# Altium PCB touch.gfx.PcbDoc (part 2 of 3) (continued)
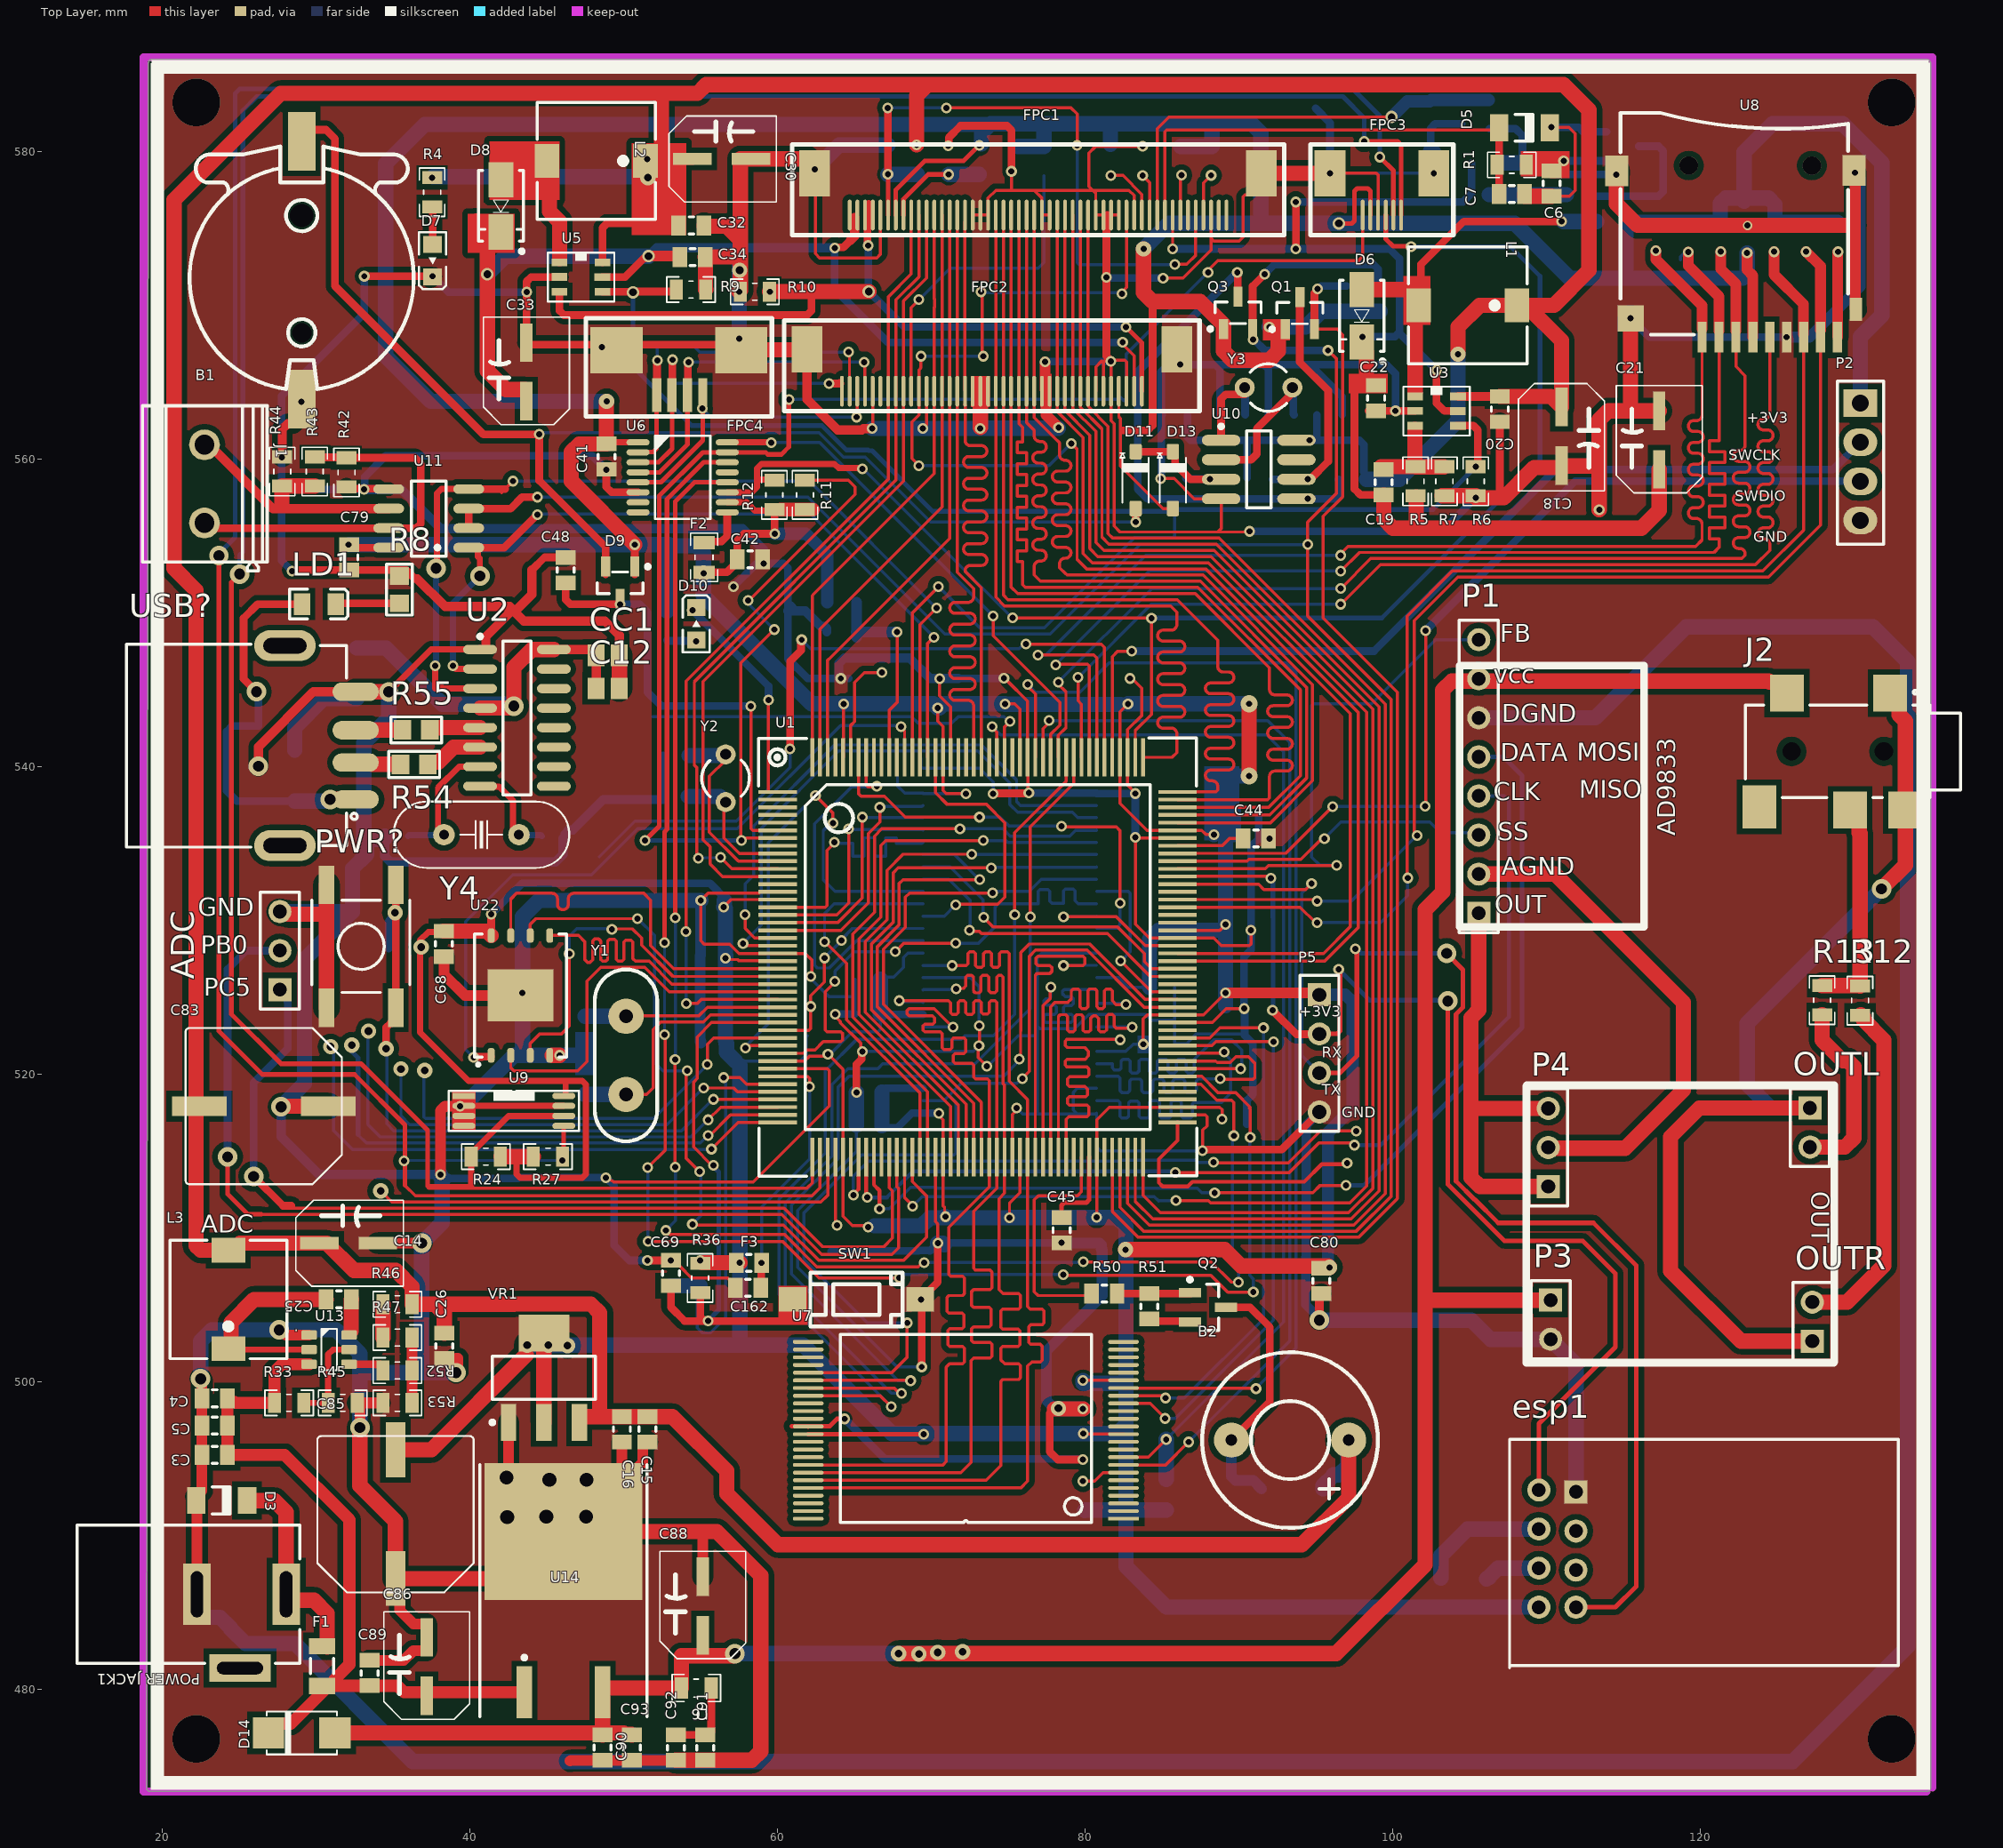
[diagram p0: Top Layer view]
## Nets (pads, with @x,y where several pads share a name; then routed paths per layer and width w, separated by ;. In a path a pad name is that pad's centre, name@x,y a point inside that pad or via, vN(x,y) a via of type N, cw(c..) or ccw(c..) an arc to the next point about the centre after c; other vN are vias at no path point) (continued)
  Bottom Layer w0.6: v2(26.264,540.004) v2@26.264,540.131 ; v2(27.737,517.855) 27.737,515.925 30.201,513.461 v1@37.795,513.461 ; v1(33.144,558.009) 35.563,558.009 38.125,555.447 57.76,555.447 59.108,554.099 v1(59.108,553.189) ; C13.1@34.48,535.307 34.48,534.15 34.849,533.781 45.568,533.781 46.063,534.276 46.063,535.316 C27.2@46.204,535.457 46.204,535.607 46.454,535.857 46.704,535.857 48.69,537.843 C65.1@52.57,537.843 ; v1(38.1,513.456) 38.608,513.202 ; 60.7,550.113 61.232,550.113 61.824,550.113 62.845,549.092 63.1,549.092 63.225,548.967 R35.1@63.225,548.742 ; v1(64.135,545.714) 64.135,545.741 64.005,545.871 64.005,546.689 64.362,547.046 68.599,547.046 69.932,545.714 71.78,545.714 ; v2(95.25,503.987) 95.25,504.124 94.377,504.997 94.377,508.059 94.391,508.073 94.391,516.661 P5.4@95.25,517.52
  Bottom Layer w0.7: C54.1@54.992,522.092 C58.1@54.991,527.68 55.011,527.7 55.011,531.264 v1(55.031,531.284) ; C54.1@55.03,522.118 55.03,521.992 C54.1@55.031,521.991 ; v3@78.059,498.216 77.495,498.78 77.495,501.955 81.128,505.587 81.128,508.559 81.072,508.614 81.072,508.886 80.96,508.998 79.197,508.998 ; v7(125.635,567.915) 127.134,567.915 130.429,571.21 130.429,578.257 v7(130.079,578.607)
  Bottom Layer w1: 22.267,486.156 22.267,485.056 22.667,484.656 23.767,484.656 24.456,483.967 24.456,483.916 25.416,482.956 28.625,482.956 36.297,475.285 126.035,475.285 133.502,482.752 133.502,546.811 131.248,549.066 119.095,549.066 113.182,543.154 P1.6@105.613,543.154 ; v2(22.504,500.167) 22.504,502.615 23.241,503.352 v2(27.61,503.352) 31.318,503.352 32.868,501.802 32.868,500.456 ; ADC.3@27.661,530.555 32.36,530.555 29.261,527.456 29.261,519.379 v2(27.737,517.855) ; 32.385,530.53 32.385,533.363 33.299,534.277 33.299,535.257 ; v2(32.868,497.002) 32.868,500.456 ; 33.299,535.457 33.299,535.257 ; C13.1@34.48,535.457 34.48,535.307 34.43,535.257 33.299,535.257 ; v2(34.74,544.848) 34.74,543.146 33.115,541.521 33.115,535.273 33.099,535.257 33.299,535.257 ; v1(38.1,513.456) 38.1,513.346 38.21,513.236 38.21,510.318 v2(36.882,508.99) 36.882,500.721 37.033,500.569 ; v2(39.116,500.569) 37.033,500.569 ; v1(39.37,517.901) 39.594,517.901 42.901,521.208 43.459,521.208 ; 47.498,521.203 47.493,521.208 v1(45.847,521.208) 43.459,521.208 ; v1(55.031,531.284) C56.1@54.904,531.284 44.498,531.284 43.434,530.22 v4(43.434,525.272) 43.434,521.233 43.459,521.208 ; v1(57.531,567.812) v1(57.531,570.86) v3@57.531,572.719 ; v1@62.484,578.861 64.024,580.401 R26.1@67.196,580.401 ; C77.1@65.151,516.661 v1(65.151,518.79) ; v1(66.167,561.97) v1(69.469,561.97) v1@73.186,561.97 ; v1(70.443,508.99) 70.76,508.99 C53.1@70.866,508.884 ; v1@73.212,561.995 v1@78.272,561.995 ; v3@78.059,498.216 v1(79.883,498.216) ; v2(95.25,503.987) 105.131,503.987 106.375,502.742 P3.2@110.287,502.742 111.938,501.091 esp1.1@111.938,492.811 ; D4.1@102.489,580.006 102.592,580.006 102.692,579.906 v1(102.692,578.571) ; 32.868,500.456 32.98,500.569 37.033,500.569
  other v1: 78.486,509.011 74.74,545.73 82.931,545.716 29.051,563.721 48.609,567.272 81.398,571.806
  other v3: 78.283,498.246 57.556,572.262
  other v6: 22.225,476.753 132.461,476.753
L+: OUTL.2 R13.2@127.94,523.839 | length 12.1
  Top Layer w1: OUTL.2@127.152,515.239 129.411,515.239 129.997,515.825 129.997,520.471 129.629,520.84 129.299,520.84 127.94,522.199 R13.2@127.94,523.839
LCD_RST: FPC1.44 R25.1 | length 2.6
  Top Layer w0.2: FPC1.44@86.211,575.85 86.221,575.859 86.221,578.383 v1(86.28,578.442)
LEFT: P1.1 P4.1 P4.3 | length 27.7
  Top Layer w1: P1.1@105.613,530.454 105.613,524.15 105.105,523.642 105.105,517.754 ; P4.1@110.134,512.674 105.691,512.674 105.105,513.259 105.105,517.754 ; P4.3@110.134,517.754 105.105,517.754
MODE: FPC1.8 R34.2@73.137,578.496 R37.1 | length 6.6
  Top Layer w0.3: FPC1.8@68.211,575.85 68.211,576.896 69.81,578.495 v1(71.153,578.495)
  Bottom Layer w1: v1(71.153,578.495) R34.2@73.137,578.496
NetB2_2: B2.2 D12.1 Q2.3 | length 16.4
  Top Layer w0.5: Q2.3@89.186,504.82 90.74,504.82 92.036,503.524 92.036,498.685 B2.2@89.535,496.184
  Bottom Layer w0.7: B2.2@89.535,496.184 89.535,493.815 89.795,493.555 90.954,493.555 D12.1@91.495,493.014
NetC1_1: C1.1 C2.2 D6.1 L1.2 U3.1 | length 24.1
  Top Layer w0.5: L1.2@101.854,570.276 101.854,571.001 101.854,572.643 104.648,575.437 v1(110.998,575.437)
  Top Layer w1: D6.1@98.008,571.001 L1.2@101.575,571.001 ; 101.473,564.357 L1.2@101.473,570.098
  Bottom Layer w1: C2.2@111.125,575.433 C2.2@111.378,575.433 ; C2.2@111.379,575.432 C2.2@111.378,575.433 ; C1.1@113.284,575.433 C2.2@111.378,575.433
NetC1_2: C1.2 D1.3 | length 8.8
  Bottom Layer w0.5: C1.2@113.284,577.083 117.309,577.083 117.602,577.376 117.602,580.031 117.309,580.324 D1.3@116.019,580.324
NetC2_1: C2.1 D2.3 | length 5
  Bottom Layer w1: D2.3@106.306,577.176 C2.1@111.324,577.176
NetC6_1: C6.1 C7.1 D1.2 D5.2 | length 13.3
  Top Layer w0.2: C6.1@109.728,577.083 C6.1@110.363,577.083 111.506,577.083 111.887,577.464 111.887,581.147 111.469,581.565 v1(110.343,581.565)
  Top Layer w1: C7.1@108.61,577.185 108.61,577.083 C6.1@110.363,577.083
  Bottom Layer w0.5: v1(110.343,581.565) 112.104,581.565 112.395,581.274 D1.2@113.919,581.274
NetC6_2: C6.2 D1.1 R1.1 | length 4.5
  Top Layer w1: R1.1@108.774,579.115 110.501,579.115 C6.2@110.525,579.091
  Bottom Layer w0.5: v1(111.134,579.373) D1.1@113.919,579.374
NetC11_2: C11.2 D2.2 R2.2@106.299,581.467 | length 5.3
  Bottom Layer w0.5: R2.2@106.299,581.467 108.011,581.467 108.459,581.019 C11.2@108.459,579.242
  Bottom Layer w1: D2.2@107.256,579.242 C11.2@108.459,579.242
NetC13_2: C13.2 U2.7 Y4.2 | length 8.4
  Top Layer w0.4: Y4.2@37.946,535.534 37.946,538.605 39.319,539.979 U2.7@40.678,539.979
  Bottom Layer w0.4: C13.2@35.98,535.457 36.056,535.534 Y4.2@37.946,535.534
NetC19_1: C19.1 R5.2 R7.1 U3.3 | length 6.5
  Top Layer w1: C19.1@99.262,559.467 99.285,559.491 R5.2@101.509,559.491 ; R5.2@101.467,559.491 U3.3@101.467,561.902 ; R5.2@101.523,559.477 R7.1@103.364,559.477
NetC25_1: C25.1 U13.6 | length 2.1
  Top Layer w1: U13.6@32.298,503.276 32.298,505.303 C25.1@32.323,505.328
NetC25_2: C25.2 L3.1 U13.2 | length 13.9
  Top Layer w0.4: L3.1@24.308,502.128 24.367,502.069 U13.2@29.561,502.069
  Top Layer w1: L3.1@24.308,502.128 24.493,502.314 24.493,503.842 25.979,505.328 C25.2@30.673,505.328
NetC27_1: C27.1 U2.8 Y4.1 | length 6.7
  Top Layer w0.4: U2.8@40.678,538.709 40.699,538.688 41.931,538.688 42.826,537.793 Y4.1@42.826,535.534
  Bottom Layer w0.4: Y4.1@42.826,535.534 44.628,535.534 C27.1@44.704,535.457
NetC48_2: C48.2 D9.3 U1.6 | length 28.9
  Top Layer w0.2: v1(58.285,543.918) 58.304,543.9 58.304,535.953 58.421,535.835 U1.6@60.033,535.835
  Top Layer w0.5: C48.2@46.251,551.939 46.251,550.833 46.544,550.54 D9.3@49.494,550.54 ; v1(49.784,550.54) D9.3@49.784,550.887
  Bottom Layer w0.5: v1(49.784,550.54) 51.054,550.54 51.562,550.032 51.562,544.825 52.469,543.918 v1(58.285,543.918)
NetC82_1: C82.1 U10.1 Y3.2 | length 6.5
  Top Layer w0.5: U10.1@88.863,561.208 88.863,563.9 89.156,564.193 90.406,564.193 Y3.2@90.48,564.267
  Bottom Layer w0.5: Y3.2@90.398,564.854 Y3.2@90.398,564.637 90.419,564.616 90.419,562.88 C82.1@90.44,562.859
NetC87_1: C87.1 U10.2 Y3.1 | length 10
  Top Layer w0.5: U10.2@88.863,559.938 90.805,559.938 91.186,560.319 91.186,561.97 93.482,564.267 Y3.1@93.58,564.267 ; Y3.1@93.498,564.637 93.634,564.637 Y3.1@93.702,564.568
  Bottom Layer w0.5: Y3.1@93.113,564.79 93.345,564.79 Y3.1@93.498,564.637 93.548,564.587 93.548,562.91 C87.1@93.599,562.859
NetC162_2: C162.2 F3.1 U1.38 | length 17.1
  Top Layer w0.2: U1.38@60.033,519.835 60.058,519.81 61.986,519.81 62.103,519.693 v1(62.103,519.171)
  Top Layer w0.5: C162.2@58.927,506.09 58.953,506.116 58.953,507.684 F3.1@59.028,507.758
  Bottom Layer w0.2: v1(58.98,507.71) 58.98,511.349 62.103,514.472 v1(62.103,519.171)
NetC163_2: C163.2 F4.1 U1.39 | length 26.7
  Top Layer w0.2: v1(56.516,519.761) 57.576,519.761 58.002,519.335 U1.39@60.033,519.335
  Bottom Layer w0.2: F4.1@54.991,506.218 54.805,506.033 54.805,503.482 55.118,503.169 55.656,503.169 56.652,504.165 56.652,519.866 v1@56.515,520.003
  Bottom Layer w1: C163.2@53.086,506.218 F4.1@54.991,506.218
NetCC2_1: CC2.1 CC3.1 DC2.1 LD1.1 USB?.1 | length 26.4
  Top Layer w0.5: v2(26.137,544.855) 25.298,545.694 25.298,549.631 26.213,550.545 LD1.1@29.101,550.545
  Top Layer w1: v2(30.93,537.848) USB?.1@32.591,537.848
  Bottom Layer w0.5: v2(26.137,544.855) 26.264,544.728 CC2.1@26.264,542.616 24.558,542.616 24.206,542.265 24.206,538.404 24.866,537.744 DC2.1@28.626,537.744
  Bottom Layer w1: DC2.1@28.626,537.744 30.753,537.744 30.857,537.848 v2(30.93,537.848)
NetD3_2: "POWER JACK1.1" D3.2 F1.1 | length 13.6
  Top Layer w1: D3.2@25.527,492.252 27.305,492.252 28.067,491.49 28.067,486.156 28.459,485.764 29.881,485.764 30.734,484.911 F1.1@30.734,482.727
NetD7_2: D7.2 R4.1 | length 2.5
  Top Layer w0.5: D7.2@37.592,573.942 R4.1@37.592,576.448
NetD8_1: D8.1 L2.2 U5.1 | length 9.7
  Top Layer w0.2: D8.1@42.037,578.148 42.037,578.037 D8.1@42.737,577.337
  Top Layer w0.5: L2.2@45.035,579.374 L2.2@45.06,579.349
  Top Layer w1: D8.1@42.037,578.148 42.078,578.19 45.146,578.19 ; 45.187,578.231 45.187,576.097 45.847,575.437 45.847,573.026
NetD10_2: D10.2 R39.1 | length 1.9
  Bottom Layer w0.5: R39.1@52.832,548.193 52.865,548.16 54.704,548.16 v1(54.737,548.127)
NetDC1_1: DC1.1 DC2.2 | length 6.3
  Bottom Layer w1: DC2.2@28.626,541.044 28.626,542.519 30.506,544.399 DC1.1@32.664,544.399
Netesp1_6: esp1.6 R3.2 | length 3.7
  Bottom Layer w1: R3.2@106.121,487.157 106.196,487.232 106.271,487.232 106.271,487.272 106.857,487.858 esp1.6@109.525,487.858
Netesp1_7: esp1.7 R2.2@103.149,487.208 | length 8.6
  Bottom Layer w1: R2.2@103.149,487.208 103.149,488.671 104.877,490.398 esp1.7@109.525,490.398
NetF2_2: F2.2 U6.9 | length 3.2
  Top Layer w0.5: F2.2@55.245,554.558 55.298,554.611 56.373,554.611 56.748,554.986 U6.9@56.748,556.469
NetFPC1_47: FPC1.47 R23.1 | length 2.8
  Top Layer w0.2: FPC1.47@87.711,575.85 87.711,577.936 v1(88.211,578.436)
NetJ1_1: J1.1 R42.2 R43.1 U11.7 | length 25.3
  Top Layer w0.5: J1.1@22.758,555.828 23.164,555.828 23.499,555.493 U11.7@34.738,555.493 36.537,555.493 36.83,555.786 36.83,559.684 36.447,560.067 R42.2@31.99,560.067 31.961,560.096 29.957,560.096 R43.1@29.927,560.126
NetJ1_2: J1.2 R43.2 R44.1 U11.6 | length 17
  Top Layer w0.6: J1.2@22.758,560.908 23.063,560.908 27.208,556.763 U11.6@34.738,556.763
  Top Layer w1: 27.79,556.988 R44.1@27.79,558.203 ; R44.1@27.813,558.226 R43.2@29.927,558.226
NetLD1_2: LD1.2 R8.1 | length 4.3
  Top Layer w0.5: LD1.2@31.148,550.697 31.25,550.596 R8.1@35.433,550.596
NetQ1_3: Q1.3 R41.2 U10.6 | length 16.3
  Top Layer w0.5: U10.6@93.763,558.668 94.663,558.668 95.824,559.829 95.824,564.444 93.981,566.287 Q1.3@93.981,570.524
  Bottom Layer w0.5: R41.2@92.202,558.668 v1(94.488,558.668)
NetQ2_1: Q2.1 R50.1 R51.1 | length 4.8
  Top Layer w0.5: R50.1@82.096,505.708 R51.1@84.201,505.708 86.867,505.708 86.868,505.709 86.836,505.741 Q2.1@86.836,505.77
NetQ2_2: Q2.2 R51.2 | length 2.7
  Top Layer w0.5: R51.2@84.201,504.058 84.339,503.92 86.786,503.92 Q2.2@86.836,503.87
NetQ3_3: Q3.3 R49.2 U10.5 | length 33.6
  Top Layer w0.5: v1(89.916,572.13) 89.939,572.107 89.939,570.571 Q3.3@89.962,570.548 ; U10.5@93.763,557.398 v1(94.488,557.398)
  Bottom Layer w0.5: v1(89.916,572.13) 83.439,565.653 83.439,558.033 84.074,557.398 v1(94.488,557.398) 96.242,557.398 96.535,557.691 96.535,558.623 R49.2@96.489,558.668
NetR18_1: R18.1 U7.7 | length 2.9
  Top Layer w0.2: v1(79.883,493.517) 80.645,493.517 81.197,494.069 U7.7@82.513,494.069
NetR21_1: R21.1 U8.9 | length 5.6
  Top Layer w0.3: U8.9@128.935,567.915 U8.9@128.955,567.935 ; v1@128.955,573.446 v1(128.974,573.465)
  Top Layer w0.7: U8.9@128.955,567.935 v1@128.955,573.446
NetR33_1: R33.1 R45.1 U13.5 | length 6.2
  Top Layer w0.4: R33.1@29.21,498.602 R45.1@30.8,498.602 30.8,501.767 31.102,502.069 U13.5@32.161,502.069
NetR46_2: R46.2 R47.1 | length 2.2
  Top Layer w1: R47.1@34.356,502.854 R46.2@34.356,505.013
NetR47_2: R47.2 R52.2 R53.1 | length 4.3
  Top Layer w0.7: R53.1@36.256,498.602 R47.2@36.256,502.854
NetR52_1: R52.1 U13.4 | length 2.5
  Top Layer w0.5: U13.4@32.161,501.119 33.888,501.119 33.9,501.107 34.181,501.107 34.356,500.932 R52.1@34.356,500.707
NetR54_1: R54.1 U2.6 | length 3.9
  Top Layer w1: R54.1@37.287,540.131 37.287,540.195 37.359,540.266 37.981,540.266 38.964,541.249 U2.6@40.678,541.249
NetR54_2: R54.2 USB?.2 | length 2.8
  Top Layer w1: USB?.2@32.791,540.248 33.545,540.248 33.662,540.131 R54.2@35.509,540.131
NetR55_1: R55.1 U2.5 | length 3.4
  Top Layer w1: R55.1@37.414,542.366 37.414,542.43 37.486,542.501 38.049,542.501 38.066,542.519 U2.5@40.678,542.519
NetR55_2: R55.2 USB?.3 | length 3.1
  Top Layer w1: USB?.3@32.591,542.348 32.609,542.366 R55.2@35.636,542.366
NRST: C69.1 R36.1 SW1.2 U1.31 | length 37.7
  Top Layer w0.2: v1(55.855,514.045) 55.763,514.045 54.563,515.246 54.563,519.458 54.799,519.694 54.799,520.333 54.788,520.344 54.788,522.397 55.726,523.335 U1.31@60.033,523.335
  Top Layer w0.5: C69.1@53.086,506.219 53.086,504.82 53.975,503.931 60.321,503.931 60.601,504.212 SW1.2@60.601,505.328 ; R36.1@54.991,505.775 54.991,504.224 v1@55.284,503.931
  Bottom Layer w0.3: v1(55.499,503.931) 55.499,503.947 56.202,504.65 56.202,513.62 55.826,513.995 55.855,514.024 v1(55.855,514.045)
PA0: U1.40 | length 29
  Top Layer w0.2: v1(55.213,519.089) 55.221,519.082 57.169,519.082 57.415,518.835 U1.40@60.033,518.835
  Bottom Layer w0.2: v3@35.535,520.446 35.535,517.26 36.094,516.701 52.825,516.701 v1(55.213,519.089)
  other v3: 35.535,520.319
PA1: PWR?.1 R34.1@34.737,528.137 U1.41 | length 44.6
  Top Layer w0.2: v1(55.848,518.344) 55.852,518.34 60.029,518.34 U1.41@60.033,518.335
  Top Layer w0.5: v3(34.569,521.64) 34.569,523.009 34.862,523.302 34.944,523.302 35.194,523.552 PWR?.1@35.194,524.302 PWR?.1@35.194,532.287
  Bottom Layer w0.2: v3@34.62,521.423 34.62,516.743 35.062,516.301 53.772,516.301 55.814,518.344 v1(55.848,518.344)
  Bottom Layer w0.5: R34.1@34.737,528.137 34.737,529.936 35.154,530.353 v3(35.154,530.479)
PA2: U1.42 | length 33.7
  Top Layer w0.2: v1(55.499,517.012) 56.322,517.835 U1.42@60.033,517.835
  Bottom Layer w0.2: v3@33.376,522.656 33.376,516.711 34.186,515.901 54.388,515.901 v1(55.499,517.012)
  other v3: 33.426,522.783
PA3: U1.47 | length 32
  Top Layer w0.2: v3(34.214,512.394) 34.938,511.67 36.119,511.67 62.842,511.67 63.283,512.111 U1.47@63.283,514.585
PA4: U1.50
PA5: U1.51 | length 38.2
  Top Layer w0.2: 65.283,513.334 U1.51@65.283,514.585 ; v1(88.367,514.245) 88.367,514.209 88.392,514.184 88.411,514.204 93.236,514.204 95.312,516.28 v1(97.638,516.28)
  Top Layer w0.25: v1(64.948,512.115) 64.948,512.151 65.283,512.486 65.283,513.334
  Bottom Layer w0.2: v1(64.948,512.115) 65.117,512.115 64.948,512.284 64.948,513.334 65.94,514.326 82.198,514.326 82.262,514.39 87.231,514.39 87.377,514.245 v1(88.367,514.245)
PA6: P1.4 U1.52 | length 65.5
  Top Layer w0.2: v1(85.877,513.588) 93.291,513.588 95.221,515.518 v1@97.327,515.518
  Top Layer w0.25: U1.52@65.783,514.585 65.783,512.042 v1(65.862,511.962)
  Bottom Layer w0.25: v1(65.862,511.962) 67.132,511.962 68.834,513.664 v1@85.877,513.664 ; v1@97.302,515.391 97.327,515.366 v1(97.536,515.366) 99.238,515.366 107.569,523.697 107.569,537.771 107.266,538.074 P1.4@105.613,538.074
PA7: P1.5 U1.53 | length 71.2
  Top Layer w0.2: v1(88.443,512.267) 94.823,512.267 95.305,512.75 v1(96.977,512.75)
  Top Layer w0.25: U1.53@66.283,514.585 66.283,512.787 66.65,512.42 v1(66.65,511.226)
  Bottom Layer w0.2: v1(66.65,511.226) 67.275,511.226 68.664,512.615 70.353,512.615 70.403,512.565 87.312,512.565 87.609,512.267 88.392,512.267 88.443,512.216 88.753,512.216 88.443,512.527 v1(88.443,512.267)
  Bottom Layer w0.3: v1(96.977,512.75) 98.171,512.75 108.433,523.011 108.433,539.394 107.213,540.614 P1.5@105.613,540.614
PA8: U1.119
PA11: P1.8 U1.122 | length 34.9
  Top Layer w0.2: U1.122@86.033,533.335 91.726,533.335 91.933,533.542 96.271,533.542 v1@96.418,533.395
  Bottom Layer w0.2: v1(96.37,533.572) 95.277,533.572 94.742,534.107 94.742,543.951 94.859,544.068 98.654,544.068 102.818,548.233 P1.8@105.613,548.234
PA12: P1.3 U1.123 | length 21
  Top Layer w0.2: U1.123@86.033,533.835 90.554,533.835 90.661,533.942 94.057,533.942 95.42,535.305 v1(95.58,535.305)
  Bottom Layer w0.2: v1(95.58,535.305) 96.647,536.372 102.438,536.372 103.124,535.686 105.461,535.686 P1.3@105.613,535.534
PA13: P2.3 U1.124 | length 61.8
  Top Layer w0.2: U1.124@86.033,534.335 86.039,534.342 93.068,534.342 v1(96.114,537.388) ; v1(102.132,537.395) 102.132,537.265 102.166,537.232 v1(102.166,548.831)
  Bottom Layer w0.2: v1(96.114,537.388) 101.82,537.388 101.973,537.235 v1(102.132,537.395) ; v1@102.139,537.205 v1@102.329,537.395
  Bottom Layer w0.5: v1(102.166,548.831) 111.875,558.541 P2.3@130.429,558.541
PA14: P2.2 U1.137 | length 61
  Top Layer w0.2: U1.137@81.783,540.585 81.783,547.124 82.151,547.492 v1(83.058,547.492)
  Bottom Layer w0.5: v1(83.058,547.492) 98.806,547.492 110.617,559.303 128.651,559.303 P2.2@130.429,561.081
PA15: U1.138 | length 50.7
  Top Layer w0.2: v1(76.174,547.951) 81.075,547.951 81.283,547.743 U1.138@81.283,540.585
  Top Layer w0.5: v1(60.833,541.142) 60.833,546.825 61.551,547.543 61.551,548.194 v1(61.589,548.233)
  Bottom Layer w0.2: 48.438,534.137 50.744,536.443 57.346,536.443 60.833,539.93 v1(60.833,541.142) ; v1(61.589,548.233) 62.176,547.646 75.733,547.646 76.038,547.951 v1(76.174,547.951)
PB0: ADC.2 U1.56 | length 69.9
  Top Layer w0.2: 26.467,510.87 60.284,510.87 62.885,508.268 67.451,508.268 67.883,508.7 67.883,512.56 67.783,512.66 U1.56@67.783,514.585
  Top Layer w0.3: v2(24.257,514.604) 24.257,512.191 25.578,510.87 26.467,510.87
  Bottom Layer w0.5: v2(24.257,514.604) 24.257,526.796 25.476,528.015 ADC.2@27.661,528.015
PB1: FPC1.29 FPC2.11 U1.57 | length 109.4
  Top Layer w0.2: U1.57@68.283,514.585 68.283,511.962 v1@68.841,511.404 ; FPC1.29@78.711,575.85 FPC1.29@78.711,575.85 FPC2.11@78.712,564.406 ; FPC2.11@78.714,564.405 78.714,563.139 80.315,561.538 80.315,554.172 80.848,553.639 88.214,553.639 98.33,543.523 98.33,512.715 97.233,511.617 88.174,511.617 88.032,511.759 v1(85.928,511.759)
  Top Layer w0.3: v1(68.809,511.404) v1@68.841,511.404
  Bottom Layer w0.2: v1(68.809,511.404) 69.42,512.015 84.518,512.015 84.795,511.738 84.816,511.759 v1(85.928,511.759)
PB2: U1.58 U22.6 | length 53.1
  Top Layer w0.2: U22.6@43.942,528.998 43.942,529.717 44.318,530.093 v1(50.922,530.093) ; v1(54.149,520.204) 54.082,520.137 54.082,514.512 v1(54.958,513.637) ; v1(54.483,510.22) 54.532,510.171 60.417,510.171 62.72,507.868 68.199,507.868 69.723,509.392 69.723,512.059 68.783,512.999 U1.58@68.783,514.585
  Bottom Layer w0.2: v1@50.927,530.093 52.015,529.005 52.015,520.756 52.576,520.195 54.14,520.195 v1(54.149,520.204) ; v1(54.483,510.22) 55.024,510.76 55.024,513.571 v1(54.958,513.637)
PB3: U1.161 U2.2 U11.1 | length 52.8
  Top Layer w0.2: U1.161@69.783,540.585 69.783,547.992 v1(70.189,548.398)
  Top Layer w0.4: v1@38.913,546.506 39.091,546.329 U2.2@40.678,546.329 ; U11.1@39.938,554.223 40.423,554.223 40.527,554.119 40.527,553.634 40.665,553.496 v2(40.665,552.374)
  Top Layer w0.5: U11.1@40.423,554.223 42.255,554.223 v1(44.399,556.367)
  Bottom Layer w0.2: v1(44.399,556.367) 44.453,556.421 62.165,556.421 v1(70.189,548.398)
  Bottom Layer w0.4: v1(38.912,546.537) 38.912,550.621 v2(40.665,552.374)
PB4: U1.162 U2.3 U11.4 | length 63.7
  Top Layer w0.2: 42.076,557.809 42.299,558.033 v1(42.816,558.55) ; U1.162@69.283,540.585 69.283,549.211 v1(70.358,550.286)
  Top Layer w0.4: v1(37.77,546.532) 37.77,545.059 ; v2(37.821,552.882) 37.871,552.933 37.871,557.744 38.16,558.033 U11.4@39.938,558.033 ; U2.3@40.678,545.059 37.77,545.059 ; 37.77,545.059 37.973,545.363 38.227,545.109 37.77,545.059
  Top Layer w0.5: U11.4@39.938,558.033 42.299,558.033
  Bottom Layer w0.2: v1(42.816,558.55) 62.094,558.55 v1(70.358,550.286)
  Bottom Layer w0.4: v1(37.77,546.532) 37.77,546.486 37.821,546.436 v2(37.821,552.882)
PB5: R6.1 R9.1 U1.163 U3.4 U5.4 | length 106
  Top Layer w0.2: U1.163@68.783,540.585 68.783,549.981 v1(70.485,551.683)
  Top Layer w0.5: U5.4@48.641,570.86 48.645,570.856 50.585,570.856 v5(50.618,570.824) 50.675,570.881 R9.1@53.512,570.881 ; U3.4@104.178,562.152 104.679,562.152 104.693,562.165 105.264,562.165 105.556,561.873 105.556,559.626 v1(105.422,559.491)
  Bottom Layer w0.2: v1(70.485,551.683) 73.167,549.001 77.369,549.001 83.25,554.882 85.735,554.882 85.852,555 85.852,556.462 85.979,556.589
  Bottom Layer w0.3: v5(50.618,570.824) 50.618,565.982 54.441,562.16 62.91,562.16 64.499,560.571 65.917,560.571 65.96,560.527 66.17,560.527 70.108,556.589 85.979,556.589 86.088,556.698 102.629,556.698 v1(105.422,559.491)
PB6: U1.164 U22.1 | length 45.9
  Top Layer w0.2: v1(68.045,542.586) 68.045,542.516 68.283,542.279 U1.164@68.283,540.585
  Top Layer w0.5: v1(40.259,521.081) 40.283,521.105 40.791,521.105 40.797,521.111 U22.1@41.372,521.111
  Bottom Layer w0.2: v1(40.259,521.081) 39.751,521.589 39.751,529.895 42.799,532.943 47.93,532.943 50.922,535.935 57.404,535.935 64.12,542.651 67.98,542.651 v1(68.045,542.586)
PB7: U1.165
PB8: U1.167
PB9: U1.168
PB10: U1.79
PB11: R50.2 U1.80 | length 15.4
  Top Layer w0.2: U1.80@79.783,514.585 79.783,512.34 79.524,512.081 76.984,512.081 76.708,511.805 76.708,505.836 76.962,505.582 80.32,505.582 R50.2@80.446,505.708
PB12: U1.92
PB13: U1.93
PB14: U1.94 U6.12 | length 106.5
  Top Layer w0.2: v1(52.761,509.817) 53.008,509.57 56.828,509.57 60.452,509.57 62.571,507.452 69.164,507.452 69.484,507.772 v1(69.545,507.711) ; v1(53.356,520.933) 53.362,520.927 53.362,513.952 v1(53.367,513.947) ; v1(79.897,507.788) 79.918,507.767 88.218,507.767 89.535,506.451 v1(89.992,506.451) ; U1.94@86.033,519.335 87.535,519.335 88.588,518.282 89.545,518.282 89.687,518.14 v1(89.687,515.976)
  Top Layer w0.3: v1@53.375,530.152 53.375,557.223 54.622,558.47 U6.12@56.748,558.47
  Bottom Layer w0.2: v1(52.761,509.817) 53.387,510.442 53.387,513.927 v1(53.367,513.947) ; v1(53.356,520.933) 53.38,520.957 v1@53.38,530.136 ; v1(69.545,507.711) 69.583,507.75 79.858,507.75 v1(79.897,507.788) ; v1(89.687,515.976) 89.611,515.899 89.611,507.797 89.992,507.416 v1(89.992,506.451)
  other v1: 53.369,530.147
PB15: U1.95 U6.14 | length 112.7
  Top Layer w0.2: v1(51.585,513.914) 52.706,515.035 52.706,522.529 v1(52.674,522.561) ; v1(51.597,509.107) 60.349,509.107 62.726,506.73 v1(67.945,506.73) ; v1(78.605,506.945) 78.649,506.901 88.195,506.901 89.296,505.801 90.942,505.801 v1(90.957,505.816) ; U1.95@86.033,519.835 87.601,519.835 88.646,518.79 89.789,518.79 90.755,517.825 90.703,517.773 90.754,517.723 v1(90.754,515.874)
  Top Layer w0.3: v1(52.669,528.536) 52.669,535.739 52.828,535.897 52.828,557.383 55.215,559.77 U6.14@56.748,559.77
  Bottom Layer w0.2: v1(51.585,513.914) 51.591,513.908 51.591,509.113 v1(51.597,509.107) ; v1(52.674,522.561) v1@52.674,528.531 ; v1@67.73,506.945 v1@67.945,506.945 ; v1(67.945,506.73) v1@67.945,506.945 ; v1(78.605,506.945) v1@67.945,506.945 ; v1(90.754,515.874) 90.716,515.836 90.716,506.895 90.957,506.654 v1(90.957,505.816)
PC0: R32.2 RAM1.16 U1.32 | length 14.4
  Top Layer w0.2: U1.32@60.033,522.835 62.057,522.835 62.174,522.953 62.174,525.084 63.073,525.983 v1(63.073,527.534)
  Bottom Layer w0.2: v1(63.073,527.534) 63.073,527.55 64.175,528.652 v1(64.175,528.668) 64.175,528.736 64.897,529.458 RAM1.16@69.469,529.458
  other v1: 62.192,524.383
PC1: U1.33 | length 29.1
  Top Layer w0.2: v1(55.438,520.613) 55.457,520.632 55.457,521.923 55.869,522.335 U1.33@60.033,522.335
  Bottom Layer w0.2: v3@37.033,520.319 37.033,517.197 37.129,517.101 51.965,517.101 55.438,520.573 v1(55.438,520.613)
  other v3: 37.084,520.217
PC2: RAM1.19 U1.34 | length 33.5
  Top Layer w0.2: v1(57.935,521.685) 58.071,521.685 58.207,521.822 58.232,521.822 58.247,521.837 60.031,521.837 U1.34@60.033,521.835 ; v1(62.486,538.1) 63.627,536.958 v1(63.627,536.316)
  Bottom Layer w0.2: v1(57.935,521.685) 57.935,521.782 59.436,523.282 59.436,535.05 v1(62.486,538.1) ; v1(63.627,536.316) 63.492,536.316 62.992,535.816 62.992,532.633 63.76,531.865 69.469,531.865 RAM1.19@69.469,531.858
PC3: RAM1.37 U1.35 | length 33.2
  Top Layer w0.2: U1.35@60.033,521.335 61.709,521.335 61.929,521.556 62.456,521.556 62.992,522.092 64.145,522.092 64.262,522.209 64.262,522.61 64.145,522.727 63.236,522.727 63.119,522.844 63.119,525.336 63.754,525.971 v1(63.754,526.029) ; v1(67.676,527.949) 67.681,527.949 68.234,528.502 v1(71.599,528.502)
  Bottom Layer w0.2: v1(63.754,526.029) 63.754,526.684 65.004,527.934 67.661,527.934 v1(67.676,527.949) ; v1(71.599,528.502) 73.09,528.502 74.16,529.572 74.16,530.847 74.371,531.058 76.962,531.058 76.962,531.871 77.089,531.998 77.597,531.998 77.724,531.871 77.724,531.236 77.876,531.084 78.613,531.084 78.613,531.897 78.74,532.024 79.248,532.024 79.375,531.897 79.375,531.262 79.578,531.058 RAM1.37@80.769,531.058
PC4: U1.54
PC5: ADC.1 U1.55 | length 62.2
  Top Layer w0.2: 28.397,511.27 60.45,511.27 62.957,508.762 66.929,508.762 67.483,509.316 67.483,512.394 67.283,512.594 U1.55@67.283,514.585
  Top Layer w0.5: v2(25.959,513.334) 27.873,511.42 28.397,511.42
  Bottom Layer w0.5: v2(25.959,513.334) 25.959,519.43 28.169,521.64 28.169,524.682 28.161,524.69 28.161,524.975 ADC.1@27.661,525.475
PC6: U1.115
PC7: U1.116
PC8: R14.2 U1.117 U8.7 | length 81.3
  Top Layer w0.2: U1.117@86.033,530.835 94,530.835 94.996,529.839 v1(95.108,529.839) ; v1(100.99,532.74) 100.946,532.784 100.946,549.764 103.892,552.71 124.09,552.71 126.735,555.355 U8.7@126.735,567.915
  Top Layer w0.3: U8.7@126.735,567.915 U8.7@126.735,568.108
  Top Layer w0.7: v1(124.818,573.466) 124.818,571.974 126.735,570.057 U8.7@126.735,568.108
  Bottom Layer w0.2: v1(95.108,529.839) 99.258,529.839 100.99,531.571 v1(100.99,532.74)
PC9: R13.2@126.904,573.466 U1.118 U8.8 | length 78.7
  Top Layer w0.2: U1.118@86.033,531.335 94.873,531.335 94.973,531.236 v1(95.108,531.236) ; v1(101.6,535.508) 101.418,535.508 101.418,549.474 104.254,552.31 124.452,552.31 127.835,555.693 U8.8@127.835,567.915 U8.8@127.835,568.374
  Top Layer w0.7: v1(126.904,573.466) 127.835,572.535 U8.8@127.835,568.374
  Bottom Layer w0.2: v1(95.108,531.236) 97.328,531.236 v1(101.6,535.508)
PC10: R17.2 U1.139 U8.1 | length 83.4
  Top Layer w0.2: v1(76.962,547.238) 80.582,547.238 80.78,547.04 80.78,543.067 80.783,543.064 U1.139@80.783,540.585 ; v1(96.647,553.72) 96.647,553.839 97.118,554.31 119.724,554.31 120.135,554.721 120.135,555.659 120.135,555.759 ccw(c119.781,555.759) 119.781,556.113 119.599,556.113 cw(c119.599,556.467) 119.599,556.821 119.861,556.821 ccw(c119.861,557.175) 119.861,557.529 119.599,557.529 cw(c119.599,557.883) 119.599,558.237 119.861,558.237 ccw(c119.861,558.591) 119.861,558.945 119.599,558.945 cw(c119.599,559.299) 119.599,559.653 119.861,559.653 ccw(c119.861,560.007) 119.861,560.361 119.599,560.361 cw(c119.599,560.715) 119.599,561.069 119.861,561.069 ccw(c119.861,561.423) 119.861,561.777 119.599,561.777 cw(c119.599,562.131) 119.599,562.485 119.781,562.485 ccw(c119.781,562.839) 120.135,562.839 120.135,564.417 U8.1@120.135,567.915 U8.1@120.135,568.447
  Top Layer w0.7: v1(117.125,573.527) 117.125,572.975 120.135,569.965 U8.1@120.135,568.447
  Bottom Layer w0.2: v1(76.962,547.238) 76.968,547.244 77.476,547.244 83.952,553.72 v1(96.647,553.72)
  Bottom Layer w0.3: R17.2@117.031,573.433 v1(117.125,573.527)
PC11: R16.2 U1.140 U8.2 | length 84.3
  Top Layer w0.2: v1(78.105,546.588) 78.157,546.64 80.165,546.64 80.283,546.523 U1.140@80.283,540.585 ; v1(96.647,552.704) 97.853,553.91 120.913,553.91 121.235,554.232 121.235,554.704 121.235,554.804 120.615,554.804 120.615,555.512 121.623,555.512 121.623,556.22 120.615,556.22 120.615,556.928 121.623,556.928 121.623,557.636 120.615,557.636 120.615,558.344 121.623,558.344 121.623,559.052 120.615,559.052 120.615,559.76 121.623,559.76 121.623,560.468 120.615,560.468 120.615,561.176 121.235,561.176 121.235,561.83 U8.2@121.235,567.915
  Top Layer w0.7: v1(119.245,573.456) 119.245,572.55 121.235,570.56 U8.2@121.235,568.32
  Bottom Layer w0.2: v1(78.105,546.588) 78.105,546.603 84.206,552.704 v1(96.647,552.704) ; 118.734,572.945 118.734,573.141 119.049,573.456 v1(119.245,573.456)